# Allegro board ZDRK-36-DE3-A02-20190729.brd (continued)
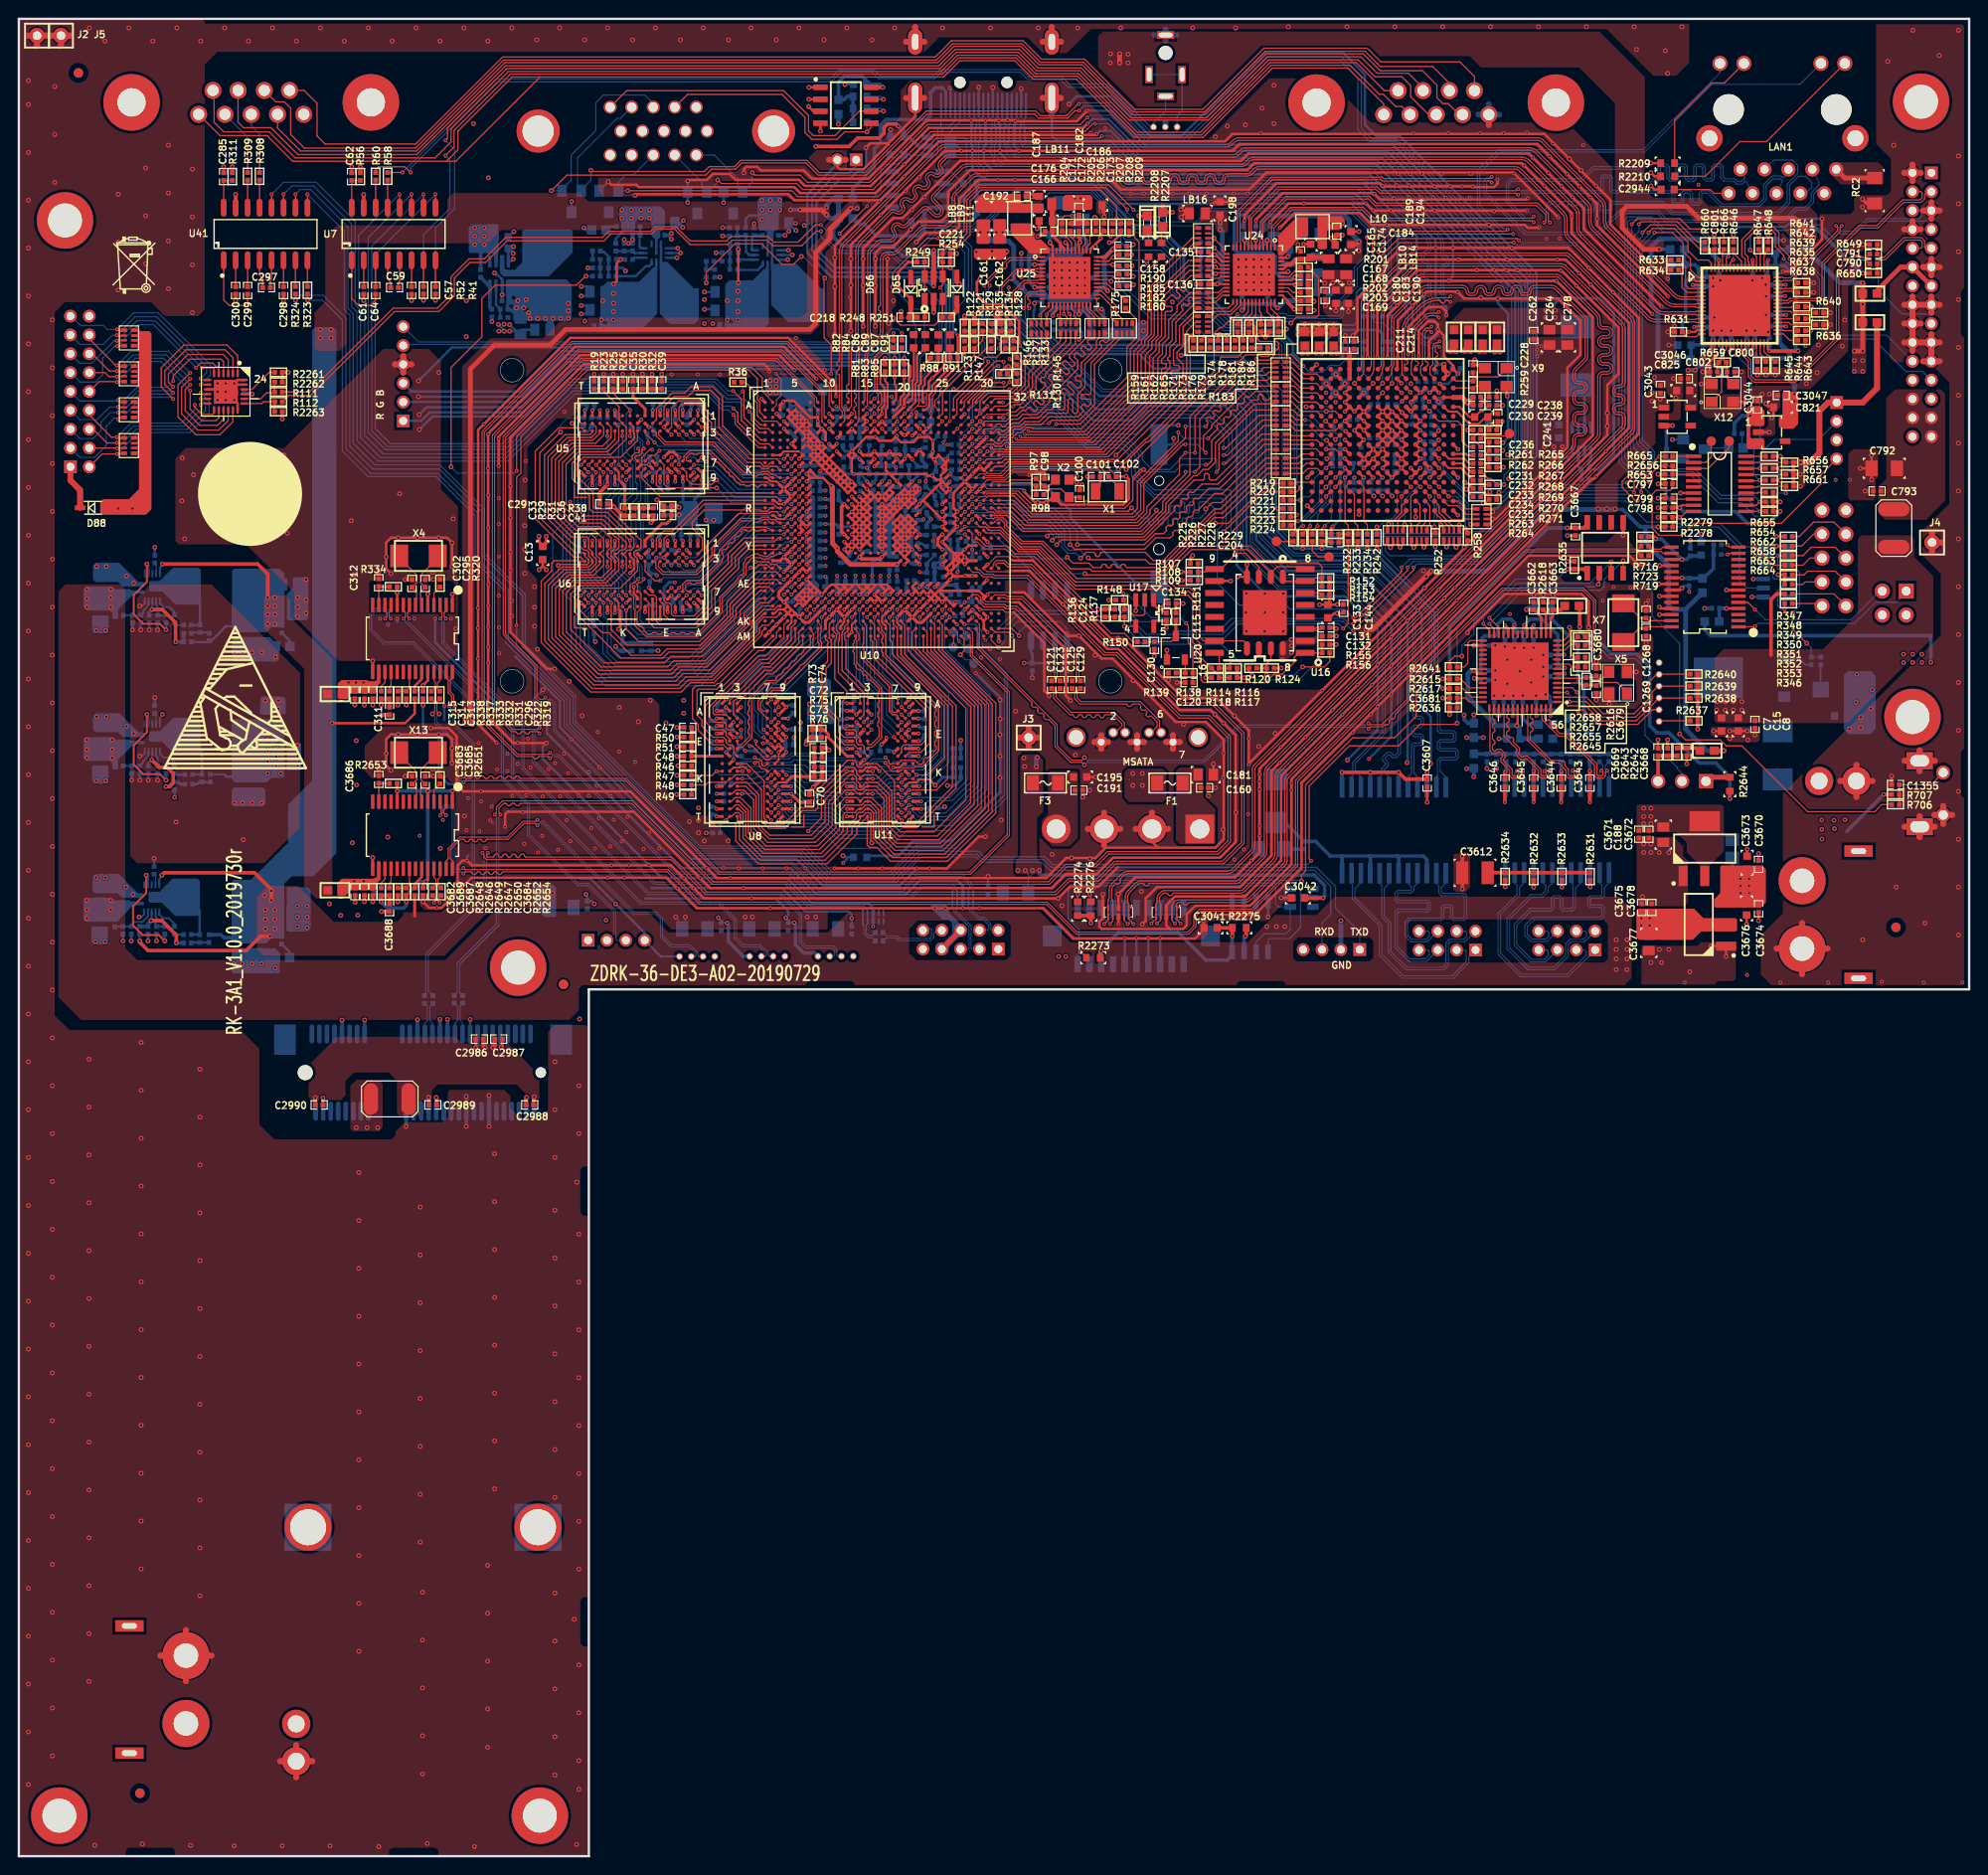
[diagram p0: board, top side]
## Routing (per net, layer and track width the routed paths; a pad name or vN(x,y) marks a point on that pad's centre or on a via; arc(x,y) is an arc through that point) (continued)
  TOP w0.254: U44.17 v2(176.53,137.62)
  TOP w0.381: v2(173.74,139.8) 173.48,140.06 R716.1
  BOTTOM w0.381: v2(173.74,139.8) 174.35,139.8 v2(176.53,137.62) 177.04,137.62 C2906.1 178.47,138 C2907.1
N18950898: length 2.7
  TOP w0.112: R719.1 173.46,138.48 174.29,138.48 174.5,138.27 U44.16
N18950900: length 2.6
  TOP w0.112: R723.1 173.33,138.71 174.29,138.71 174.5,138.92 U44.15
N18950914: length 5.9
  TOP w0.127: U44.27 172.99,131.12 C1268.2 172.11,131.39 170.54,132.96 X7.1
N18950916: length 5.8
  TOP w0.127: U44.28 172.89,130.47 C1269.2 171.98,130.3 170.54,128.86 X7.2
N18950939: length 1.9
  TOP w0.127: U44.13 181.48,138.27 v1(181.36,138.15)
  BOTTOM w0.127: R718.2 v1(181.36,138.15)
N18950941: length 1.9
  TOP w0.127: v1(181.36,139.17) 181.6,138.92 U44.14
  BOTTOM w0.127: v1(181.36,139.17) 181.33,139.19 R722.2
N18954032: length 2.7
  TOP w0.381: v2(130.18,97.64) 130.28,97.74 R2275.2
  BOTTOM w0.381: v2(130.18,97.64) 130.05,97.51 U107.7
N18957216: length 4.6
  TOP w0.114: U32.C6 v2(141.75,156.32)
  BOTTOM w0.114: R2277.2 141.78,159.61 142.16,159.23 142.16,156.73 v2(141.75,156.32)
N18970956: length 2
  TOP w0.508: D65.1 99.57,164.03 R251.1
N18974086: length 2.4
  TOP w0.127: R641.1 188.21,166.37 U66.45
N18974088: length 2.3
  TOP w0.127: R642.1 188.34,165.96 188.21,166.09 187.33,166.09 187.2,165.97 U66.44
N18974096: length 2.2
  TOP w0.127: R639.1 188.21,164.44 188.14,164.37 U66.40
N18974098: length 4.2
  TOP w0.127: R640.1 188.21,163.8 188.05,163.97 U66.39
N18974100: length 2.2
  TOP w0.127: R635.1 188.82,163.17 U66.37
N18974102: length 4.2
  TOP w0.127: U66.36 187.86,162.77 188.09,162.53 R636.1
N18974108: length 2.2
  TOP w0.127: U66.34 187.26,161.97 187.33,161.9 R637.1
N18974110: length 2.5
  TOP w0.127: R638.1 187.96,160.88 187.28,161.57 U66.33
N18974228: length 2.4
  TOP w0.127: R631.1 177.06,161.26 178.05,161.26 178.36,161.57 U66.16
N18974283: length 2.5
  TOP w0.127: U66.31 185.24,159.67 185.67,159.23 185.83,159.23 R643.1
N18974287: length 2.2
  TOP w0.127: R644.1 185.42,158.85 184.84,159.44 U66.30
N18974291: length 2
  TOP w0.127: R645.1 184.44,158.72 U66.29
N18974396: length 4.4
  TOP w0.127: U66.5 177.03,165.97 176.53,166.47 176.53,168.02 R634.2
N18974398: length 4.8
  TOP w0.127: R633.2 176.91,168.66 176.91,166.73 177.27,166.37 U66.4
N18974748: length 2.3
  TOP w0.127: U66.56 182.84,169.29 181.99,170.13 R646.2
N18974868: length 2
  TOP w0.127: R647.2 184.84,170.33 U66.51
N18974870: length 2.1
  TOP w0.127: R648.2 185.42,170.26 185.42,170.03 185.24,169.84 U66.50
N18975062: length 8.6
  TOP w0.114: R649.2 C791.2 197.61,169.67 197.97,169.67 200.08,171.78 201.93,171.78 202.28,171.43 202.28,170.77 202.4,170.65 JE1.9
N18975064: length 8.5
  TOP w0.114: R650.1 C790.1 197.65,169.41 198.08,169.41 200.19,171.51 201.82,171.51 202.02,171.32 202.02,170.77 201.9,170.65 JE1.10
N18975175: length 1.6
  BOTTOM w0.127: LED3.A 182.91,149.56 R2561.2
N18975181: length 2.6
  BOTTOM w0.127: LED3.C 179.07,149.45 Q20.3
N18975351: length 2.3
  TOP w0.127: C799.1 175.64,144.02 U1492.8
N18978629: length 3.8
  BOTTOM w0.203: R2568.2 11.1,131.7 R2567.1 C3056.1 13.21,131.95 13.21,132.18 13.77,132.75 U1493.13
N18978639: length 8.6
  TOP w0.381: v2(14.1,132.31) 15.24,132.31 16.64,130.91 v2(16.64,128.88)
  BOTTOM w0.203: v2(14.1,132.31) 14.17,132.38 U1493.12
  BOTTOM w0.381: R2571.2 R2565.2 v2(16.64,128.88) ; R2566.1 13.84,132.05 v2(14.1,132.31)
N18978647: length 2
  BOTTOM w0.254: R2571.1 18.42,129.87 R2563.2 20.12,129.87 C3060.1
N18978651: length 11.9
  TOP w0.203: v2(15.62,130.15) 14.99,130.78 13.21,130.78 12.19,131.8 12.19,133.83 13.59,135.23 v2(13.59,137.13)
  BOTTOM w0.203: v2(13.59,137.13) 13.77,136.95 U1493.4 ; R2570.1 v2(15.62,130.15)
N18978655: length 2.5
  BOTTOM w0.203: U1493.11 14.57,132.72 14.73,132.56 C3053.1 R2570.2
N18978661: length 1.1
  BOTTOM w0.203: R2569.2 16.74,130.66 C3054.1
N18978663: length 2.5
  BOTTOM w0.203: U1493.10 14.97,132.96 15.37,132.56 16,132.56 16.51,132.05 R2569.1
N18978665: length 5.6
  BOTTOM w0.254: L16.1 19.23,133.38 R2563.1 19.2,130.66 C3054.2
N18978683: length 1.2
  BOTTOM w0.114: R2564.1 14.57,137.09 U1493.6
N18979891: length 4.6
  BOTTOM w0.203: U126.13 13.7,99.73 13.14,99.16 12.27,99.16 12.07,98.96 12.07,98.68 C640.1 R482.1 10.21,98.68 R462.2
N18979901: length 7.5
  TOP w0.381: v2(16.71,96.93) 16.71,97.75 15.17,99.29 v2(14.03,99.29)
  BOTTOM w0.203: U126.12 14.1,99.36 v2(14.03,99.29)
  BOTTOM w0.381: R481.2 R485.1 13.72,98.98 v2(14.03,99.29) ; R480.2 v2(16.71,96.93)
N18979909: length 1.9
  BOTTOM w0.254: C639.1 R463.2 18.36,96.98 R480.1
N18979913: length 11.8
  TOP w0.203: v2(15.49,97.13) 14.86,97.76 13.14,97.76 12.12,98.78 12.12,100.81 13.52,102.21 v2(13.52,104.11)
  BOTTOM w0.203: v2(13.52,104.11) 13.7,103.93 U126.4
  BOTTOM w0.254: R484.1 v2(15.49,97.13)
N18979917: length 2.7
  BOTTOM w0.203: U126.11 14.5,99.7 14.66,99.54 14.66,99.22 14.48,99.03 14.48,98.68
  BOTTOM w0.254: R484.2 C646.1 14.48,98.68
N18979923: length 1
  BOTTOM w0.254: C635.1 16.56,97.82 R461.2
N18979925: length 2.6
  BOTTOM w0.203: R461.1 16.51,98.97 15.93,99.54 15.3,99.54 14.9,99.94 U126.10
N18979927: length 5.5
  BOTTOM w0.254: C635.2 19.17,97.82 R463.1 19.19,100.33 17.74,101.78
N18979945: length 1.2
  BOTTOM w0.114: R483.1 14.5,104.07 U126.6
N18980765: length 1.8
  BOTTOM w0.254: R2572.2 28.78,128.96 D89.A
N18983812: length 1.4
  TOP w0.127: R2208.2 119.91,172.42 D91.A
N18983816: length 1.8
  TOP w0.127: D90.C 121.28,172.82 R2207.2
N18984245: length 2.1
  BOTTOM w0.381: C3608.1 134.34,106.88 R797.2
N18984341: length 16.4
  TOP w0.381: v2(149.48,115.04) C3607.1 147.19,114.3 v2(146.45,115.04) v2(143.45,115.04) v2(140.45,115.04)
  BOTTOM w0.381: T3.1 v2(140.45,115.04) ; T3.10 149.45,115.01 v2(149.48,115.04) ; T3.4 v2(143.45,115.04) ; T3.7 v2(146.45,115.04)
N18984380: length 24.6
  BOTTOM w0.381: T3.21 143.45,106.08 143.38,106.15 ; T3.18 146.45,106 146.3,106.15 ; D104.1 134.39,109.7 R797.1 137.64,107.7 139.19,106.15 140.46,106.15 ; 140.46,106.15 143.38,106.15 ; 140.46,106.15 140.45,106.13 T3.24 ; 143.38,106.15 146.3,106.15 ; 146.3,106.15 149.07,106.15 149.45,105.77 T3.15
N18998365: length 3.1
  TOP w0.127: R2617.1 153.29,123.93 154.21,123.01 U1.41
N18998598: length 3.5
  TOP w0.381: C3644.2 v1(163.7,115.16)
  BOTTOM w0.381: R2628.1 v1(163.7,115.16) 163.77,115.1 T1.7
N18998632: length 3.5
  TOP w0.381: C3643.2 v1(166.75,115.16)
  BOTTOM w0.381: T1.10 166.77,115.14 v1(166.75,115.16) R2627.1
N18998664: length 3.5
  TOP w0.381: v1(160.77,115.15) 160.78,115.14 C3645.2
  BOTTOM w0.381: R2629.1 160.78,115.16 v1(160.77,115.15) T1.4
N18998760: length 3.5
  TOP w0.381: C3646.2 157.73,115.04 v1(157.77,115.07)
  BOTTOM w0.381: T1.1 v1(157.77,115.07) 157.86,115.16 R2630.1
N18998780: length 2.2
  TOP w0.381: R2631.2 v2(166.78,102.87)
  BOTTOM w0.381: v2(166.78,102.87) 166.77,102.88 T1.15
N18998796: length 2.3
  TOP w0.381: R2632.2 v2(160.78,102.84)
  BOTTOM w0.381: T1.21 160.77,102.86 v2(160.78,102.84)
N18998806: length 2.2
  TOP w0.381: v2(157.77,102.88) 157.76,102.89 R2634.2
  BOTTOM w0.381: T1.24 v2(157.77,102.88)
N18999008: length 6.1
  TOP w0.127: X5.3 168.05,124.94 167.74,124.94 C3680.2 167.28,125.09 R2616.2 165.89,125.09 165.8,125.01 U1.6
N18999013: length 8.2
  TOP w0.127: X5.1 170.7,123.54 169.67,124.56 167.77,124.56 C3679.2 167.39,124.28 R2616.1 166.34,124.31 165.86,124.31 165.66,124.51 U1.5
N18999156: length 2.7
  TOP w0.254: R2618.1 162.08,132 U1.16
N19039343: length 10.9
  TOP w0.381: C3612.1 155.92,104.39 R2634.1 160.77,104.39 R2632.1 163.77,104.37 R2633.1 166.76,104.39 R2631.1 166.78,104.37
N19039634: length 2.3
  TOP w0.381: R2633.2 v2(163.78,102.84)
  BOTTOM w0.381: T1.18 163.77,102.85 v2(163.78,102.84)
N19048430: length 2.5
  TOP w0.381: LB132.1 178.16,117.6 C3668.2 R2642.2
N19048438: length 2.7
  TOP w0.508: JP1.1 179.48,114.5 R2644.1
N19048459: length 4.7
  TOP w0.381: JP1.3 C3669.2 R2643.2 R2642.1
N19120126: length 39.1
  TOP w0.254: R2653.1 v2(40.16,113.06) U1496.10 ; C3684.1 42.9,103.12 v2(43.21,103.43) 43.41,103.63 U1496.24 ; U1496.5 v2(43.41,113.05) ; R2647.2 v2(41.12,101.3) ; U1496.1 v2(46.01,113.05) ; U1496.16 38.21,103.77
  TOP w0.381: 38.21,103.77 37.57,103.12 C3687.1 C3689.1 ; v2(38.46,101.3) R2648.1 R2646.1 C3688.1
  BOTTOM w0.381: v2(43.41,113.05) 43.41,103.63 v2(43.21,103.43) 42.55,103.43 41.12,102.01 v2(41.12,101.3) 41.12,100.89 40.85,100.62 39.13,100.62 v2(38.46,101.3) 38.46,101.63 v2(36.6,103.48) v2(35.59,103.48) ; v2(43.41,113.05) v2(40.16,113.05) ; v2(43.41,113.05) v2(46.01,113.05)
N19120139: length 2.2
  TOP w0.127: R2651.1 44.06,113.17 U1496.4
N19120155: length 3.1
  TOP w0.127: 38.21,113.86 C3686.1 ; 38.21,113.86 38.23,113.84 R2653.2 ; 38.21,113.86 U1496.13
N19120167: length 2.3
  TOP w0.112: U1496.25 44.06,103.89 44.27,103.68 44.27,103.12 R2652.2
N19120169: length 2.2
  TOP w0.112: R2654.2 44.5,103.08 44.5,103.68 44.71,103.89 U1496.26
N19120176: length 2.2
  TOP w0.127: R2648.2 38.46,103.28 38.86,103.68 U1496.17
N19120178: length 2.1
  TOP w0.127: R2646.2 39.34,103.25 39.51,103.41 U1496.18
N19120232: length 6.4
  TOP w0.127: U1496.6 42.76,112.54 42.65,112.65 42.65,113.31 C3685.2 42.67,114.25 42.67,115.32 X13.1
N19120234: length 6.5
  TOP w0.127: X13.2 40.37,116.93 42.27,115.04 42.27,114.3 41.76,113.79 C3683.2 42.21,113.31 42.21,112.62 42.11,112.52 U1496.7
N19120242: length 2.3
  TOP w0.254: U1496.23 42.76,103.92 42.01,103.17 R2650.2
N19120244: length 3.1
  TOP w0.127: U1496.21 41.46,103.1 R2647.1 R2649.1
N19146798: length 2.5
  TOP w0.127: R2657.2 165.33,128.63 164.72,128.63 164.1,128.01 U1.12
N19146801: length 2.5
  TOP w0.127: U1.13 164.09,128.51 164.59,129.01 165.07,129.01 R2658.2
N180422580: length 3.4
  TOP w0.127: TP28.1 158.22,150.72 155.42,150.72 R262.1

## Copper pours and planes (outline as drawn; the poured copper is in the pictures)
1V5 on BOTTOM (solid shape): 92.71,134.7 92.71,133.91 92.48,133.68 91.54,133.68 91.11,134.11 92.3,134.11 92.3,134.37 91.54,134.37 91.54,134.11 91.11,134.11 90.96,134.26 90.68,134.26 90.09,133.68 89.15,133.68 88.72,134.11 89.64,134.11 89.64,134.37 88.87,134.37 88.87,134.11 88.72,134.11 88.57,134.26 88.27,134.26 87.68,133.68 86.74,133.68 86.59,133.83 86.59,134.11 87.6,134.11 87.6,134.37 86.97,134.37 86.97,134.11 86.59,134.11 86.59,134.67 86.66,134.75 92.66,134.75
1V5 on BOTTOM (solid shape): 86.46,122.3 86.46,120.27 86.33,120.14 84.72,120.14 84.72,120.27 84.28,120.71 83.83,120.27 83.83,120.23 83.8,120.18 83.75,120.19 83.67,120.27 83.67,122.43 83.79,122.56 86.21,122.56
1V5 on BOTTOM (solid shape): 72.05,143.69 72.05,141.28 71.92,141.15 70.14,141.15 69.89,141.41 69.89,142.66 69.9,142.69 69.94,142.71 70.08,142.71 70.52,143.15 70.08,143.6 70.04,143.6 70,143.63 70.01,143.69 70.14,143.82 71.92,143.82
1V5 on BOTTOM (solid shape): 58.7,166.75 58.7,163.25 58.39,162.94 52.57,162.94 52.47,163.04 52.47,163.65 52.37,163.76 52.19,163.93 54.1,163.93 54.1,164.31 53.59,164.31 53.59,163.93 52.19,163.93 52.19,163.93 51.71,163.93 51.63,164.01 51.63,164.31 52.45,164.31 52.45,164.69 52.07,164.69 52.07,164.31 51.63,164.31 51.63,164.62 51.74,164.62 51.74,165.2 52.7,165.2 52.7,165.58 52.32,165.58 52.32,165.2 51.74,165.2 51.74,165.54 51.7,165.56 51.69,165.59 51.68,165.61 51.68,165.72 51.68,167.23 51.79,167.34 58.11,167.34
1V5 on BOTTOM (solid shape): 84.48,144.3 84.48,135.48 84.94,135.03 84.94,134.47 85.09,134.32 85.09,134.31 85.41,134 85.41,133.72 85.24,133.55 84.35,133.55 83.46,132.66 83.41,132.66 83.19,132.89 82.96,132.89 82.9,132.95 82.84,132.89 82.73,132.89 82.63,132.99 82.63,133.13 82.66,133.16 82.63,133.2 82.63,133.22 83.67,133.22 83.67,133.48 83.29,133.48 83.29,133.22 82.63,133.22 82.63,133.4 82.42,133.6 83.16,133.6 83.16,133.86 82.78,133.86 82.78,133.6 82.42,133.6 82.37,133.65 82.37,133.73 83.01,134.37 84.68,134.37 84.68,134.62 84.3,134.62 84.3,134.37 83.01,134.37 83.39,134.75 83.39,135.38 84.18,135.38 84.18,135.64 83.79,135.64 83.79,135.38 83.39,135.38 83.39,135.59 83.95,136.14 83.95,136.5 83.41,137.03 84.18,137.03 84.18,137.79 83.79,137.79 83.79,137.03 83.41,137.03 83.41,138 83.81,138.4 83.84,138.42 83.89,138.46 83.97,138.56 83.97,138.84 83.41,139.4 83.41,139.7 84.18,139.7 84.18,140.46 83.79,140.46 83.79,139.7 83.41,139.7 83.41,140.39 83.97,140.94 83.97,141.25 83.74,141.48 84.18,141.48 84.18,142.11 83.92,142.11 83.92,141.48 83.74,141.48 83.41,141.81 83.41,142.75 84.18,142.75 84.18,143 83.92,143 83.92,142.75 83.41,142.75 83.41,142.77 83.97,143.33 83.97,143.66 83.62,144.02 84.18,144.02 84.18,144.27 83.79,144.27 83.79,144.02 83.62,144.02 83.41,144.22 83.41,144.37 83.54,144.5 84.28,144.5
1V5 on L3-SIG: 87.03,105.22 84.33,107.92 73.03,107.92 66.78,114.17 66.78,115.95 55.22,127.51 55.22,150.19 55.17,150.19 51.61,153.75 51.61,164.77 51.69,164.77 51.69,165.46 52.2,165.96 60.33,165.96 61.02,165.27 61.02,161.07 64.24,157.86 71.35,157.86 80.43,148.78 82.59,148.78 84.3,147.07 84.3,136.14 85.32,135.13 93.57,135.13 93.6,135.1 94.11,135.1 95.12,134.09 98.93,134.09 99.31,133.71 99.31,131.67 98.93,131.29 98.93,128.12 103.63,123.42 103.63,112.12 99.72,108.2 95.02,108.2 92.04,105.22
1V8_DVI on TOP: 153.42,164.31 163.58,164.31 165.23,162.66 165.23,161.52 151.89,161.52 151.77,161.65 151.77,162.66
1V8_DVI on BOTTOM: 161.9,164.31 167.13,164.31 167.39,164.06 167.39,161.26 167.13,161.01 161.93,161.01 161.67,161.26 161.67,164.08
3V3 on TOP (solid shape): 113.94,176.07 113.94,174.88 113.79,174.73 111.96,174.73 111.86,174.62 110.87,174.62 110.79,174.7 110.79,176.02 111.07,176.3 113.72,176.3
3V3 on BOTTOM (solid shape): 28.19,120.17 28.19,114.58 28.07,114.45 26.8,114.45 26.29,113.94 22.99,113.94 22.61,114.33 22.61,120.42 22.86,120.68 27.69,120.68
3V3 on BOTTOM (solid shape): 50.92,173.08 50.92,170.16 50.87,170.11 49.7,170.11 49.65,170.15 47.88,170.15 47.75,170.28 47.75,172.82 48.13,173.2 50.8,173.2
3V3 on BOTTOM (solid shape): 113.72,175.87 113.72,175.06 113.61,174.96 111.2,174.96 111,174.75 109.78,174.75 109.6,174.93 109.6,175.89 109.91,176.2 113.39,176.2
3V3 on BOTTOM (solid shape): 119.86,162.74 119.86,161.14 119.58,160.86 115.01,160.86 114.96,160.91 114.96,162.1 115.06,162.2 118.21,162.2 118.97,162.97 119.63,162.97
3V3 on BOTTOM (solid shape): 81.03,176 81.03,174.6 80.65,174.22 80.65,172.69 80.54,172.58 80.4,172.58 80.3,172.48 80.17,172.48 80.17,172.36 80.1,172.28 80.1,171.59 80,171.49 79.54,171.49 79.39,171.64 79.39,172.48 79.21,172.48 79.18,172.51 78.7,172.51 78.5,172.71 78.5,173.3 78.42,173.3 78.42,175.81 78.74,176.12 80.9,176.12
3V3 on BOTTOM (solid shape): 68.58,174.6 68.58,173.99 68.57,173.98 68.57,172.74 68.34,172.51 68.09,172.51 68.09,171.8 67.94,171.65 67.83,171.65 67.83,171.62 67.5,171.62 67.48,171.64 67.48,171.65 67.47,171.65 67.15,171.98 67.15,173.42 66.89,173.68 65.62,173.68 65.42,173.47 65.42,172.64 65.32,172.53 64.05,172.53 63.97,172.61 63.97,173.37 63.75,173.59 63.75,174.85 64.01,175.11 68.07,175.11
3V3 on TOP: 35.43,76.94 35.18,77.19 35.18,81.76 35.81,82.4 38.23,82.4 38.61,82.02 38.61,77.32 38.23,76.94
3V3 on TOP: 133.99,126.72 133.73,126.97 133.73,128.63 134.11,129.01 134.62,129.01 135,129.39 137.54,129.39 137.9,129.74 138.58,129.74 138.66,129.67 138.66,129.21 138.56,129.11 138.05,129.11 137.41,128.47 135.69,128.47 135.43,128.22 135.43,127.79 134.37,126.72
3V3 on TOP: 123.19,175.29 124.56,175.29 124.71,175.13 124.71,173.79 124.51,173.58 123.16,173.58 122.99,173.76 122.99,175.08
3V3 on TOP: 138.43,168.38 141.45,168.38 141.66,168.17 141.66,165.91 141.5,165.76 138.43,165.76 138.3,165.89 138.3,168.25
3V3 on TOP: 136.07,162.94 139.93,162.94 140.13,162.74 140.13,161.44 139.9,161.21 135.61,161.21 135.48,161.34 135.48,162.36
3V3 on BOTTOM: 161.67,151.49 161.67,153.64 161.93,153.9 164.97,153.9 165.74,153.14 165.74,150.98 165.35,150.98 165.35,152.37 165.23,152.5 164.21,152.5 163.96,152.25 163.96,151.61 163.83,151.49
3V3 on L3-SIG: 4.9,2.03 1.52,5.41 1.52,193.04 2.13,193.65 205.94,193.65 205.94,130.02 204.89,128.97 196.53,128.97 192.38,124.82 167.77,124.82 161.42,131.17 156.21,131.17 151.26,126.21 151.26,120.62 151.89,119.99 153.03,119.99 153.29,119.74 153.29,114.78 153.8,114.27 155.45,114.27 155.7,114.53 155.7,115.67 156.21,116.18 169.16,116.18 170.18,115.16 170.18,100.05 168.4,98.27 168.4,93.19 168.02,92.81 136.78,92.81 136.14,93.45 136.14,105.84 126.19,115.8 115.95,115.8 114.83,114.68 114.83,105.59 115.49,104.93 122.83,104.93 125.02,102.74 125.02,95.1 124.28,94.36 116.1,94.36 115.47,95 115.47,98.25 113.51,100.2 110.36,100.2 109.78,100.79 109.78,105.36 109.25,105.89 105.87,105.89 105.26,105.28 105.26,96.37 104.39,95.5 99.26,95.5 99.26,96.6 99.95,97.28 99.97,97.28 99.69,97 99.69,96.88 100.33,96.24 103.63,96.24 104.14,96.75 104.14,97.64 103.76,98.02 100.76,98.02 100.76,98.48 99.03,100.2 99.03,101.07 98.73,101.37 96.82,101.37 96.48,101.03 96.49,101.02 96.49,100.1 97.43,99.16 98.17,99.16 98.65,98.68 98.65,97.94 98.02,97.31 97.97,97.31 98.3,97.64 98.3,98.15 97.66,98.78 95.88,98.78 95.88,97.13 96.77,96.24 96.9,96.24 97.08,96.42 97.08,95.83 96.77,95.53 91.8,95.53 86.97,100.36 83.49,100.36 83.24,100.1 83.24,97.84 83.82,97.26 87.1,97.26 87.63,96.72 87.63,95.22 87.55,95.15 84.18,95.15 82.02,97.31 82.02,99.03 80.85,100.2 76.76,100.2 76.5,99.95 76.5,98.07 77.77,96.8 79.73,96.8 80.42,96.11 80.42,95.3 80.24,95.12 77.22,95.12 75.41,96.93 75.41,99.06 74.37,100.1 69.04,100.1 68.88,99.95 68.88,97.56 69.09,97.36 72.39,97.36 72.77,96.98 72.77,95.35 72.52,95.1 69.67,95.1 68.71,96.06 61.16,96.06 57.79,99.44 57.79,103.1 57.45,103.43 54.53,103.43 54.13,103.02 54.13,95.28 59.03,90.37 59.03,3.66 57.4,2.03 ; 31 cut-outs
3V3_3G4G on TOP: 43.82,81.25 43.82,80.49 43.56,80.24 42.93,80.24 42.55,79.86 42.55,78.71 42.42,78.59 40.39,78.59 40.13,78.84 40.13,82.27 39.24,83.16 35.56,83.16 34.67,82.27 34.67,80.75 34.16,80.24 31.12,80.24 30.73,80.62 30.73,83.92 33.78,86.97 46.36,86.97 47.12,86.21 51.94,86.21 55.25,82.91 55.25,80.37 54.36,80.37 52.83,81.89 44.45,81.89
3V3_BD on TOP (solid shape): 14.07,161.62 14.07,142.95 13.49,142.37 8.86,142.37 8.64,142.6 8.64,143.74 8.92,144.02 11.68,144.02 12.75,145.08 12.75,161.8 12.8,161.85 13.84,161.85
3V3_BD on BOTTOM (solid shape): 28.19,136.12 28.19,130.53 28.07,130.4 26.8,130.4 26.29,129.9 22.99,129.9 22.61,130.28 22.61,136.37 22.86,136.63 27.69,136.63
3V3_BD on TOP: 115.06,193.65 167.77,193.65 172.59,188.82 172.59,176.89 173.48,176 178.49,176 179.37,175.11 190.02,175.11 190.88,174.24 190.88,171.81 190.25,171.17 188.72,171.17 186.56,173.33 178.05,173.33 177.17,174.22 170.69,174.22 170.69,173.08 172.21,171.55 174.5,171.55 174.62,171.42 174.62,170.41 174.5,170.28 172.34,170.28 169.42,173.2 169.42,186.03 165.61,189.84 155.19,189.84 153.99,191.05 144.46,191.05 143.36,192.15 131.88,192.15 125.32,185.6 118.87,185.6 114.55,189.92 114.55,193.14
3V3_BD on TOP: 31.57,101.63 30.28,102.92 30.28,126.01 26.04,130.25 26.04,133.5 26.37,133.83 28.37,133.83 28.83,133.38 28.83,131.5 33.27,127.05 33.27,101.75 33.15,101.63
3V3_BD on TOP: 194.56,166.6 194.56,157.45 194.69,157.33 195.96,157.33 196.09,157.45 196.09,166.98 195.83,167.23 195.2,167.23
3V3_BD on BOTTOM: 194.18,159.74 194.18,156.67 195.38,155.47 195.38,141.61 201.68,135.31 201.68,131.04 199.77,129.13 199.77,126.39 200.2,125.96 203.33,125.96 205,127.63 205,141.3 199.69,146.61 199.69,156.51 196.09,160.12 194.56,160.12
3V3_BD on BOTTOM: 25.93,133.93 25.43,134.44 25.4,134.42 25.4,135.86 26.16,136.63 26.16,139.55 24.31,141.4 8.46,141.4 8.15,141.71 8.15,144.88 8.51,145.24 14.88,145.24 23.7,154.05 23.7,159.46 20.32,162.84 20.32,179.63 22.53,181.84 38.23,181.84 48.64,192.25 117.98,192.25 118.62,191.62 118.62,189.53 117.65,188.57 111.3,188.57 110.87,189 50.52,189 38.46,176.94 33.1,176.94 31.75,178.28 27.99,178.28 26.39,176.68 26.39,165.66 29.74,162.31 29.74,142.57 29.72,142.6 29.72,137.26 28.45,135.99 28.45,134.32 28.07,133.93
3V3_BD on BOTTOM: 183.13,107.16 181.1,107.16 180.95,107.31 180.95,110.31 181.33,110.69 194.79,110.69 195.22,110.26 195.22,108.76 194.64,108.18 192.89,108.18 192.25,107.54 183.52,107.54
3V3_BD on BOTTOM: 188.85,172.06 190.63,172.06 193.93,168.76 193.93,168 194.44,167.49 196.09,167.49 196.47,167.11 196.47,163.93 196.22,163.68 194.56,163.68 192.41,165.84 192.41,166.98 189.61,169.77 189.23,169.77 189.1,169.9 189.1,171.04 188.72,171.42 188.72,171.93
3V3_BD on L3-SIG: 197.64,128.04 203.33,128.04 204.34,127.03 204.34,106.71 203.4,105.77 193.27,105.77 191.03,108 191.03,121.44
3V3_MCU on TOP: 188.87,148.13 188.87,145.29 189,145.16 189.33,145.16 189.64,145.47 189.64,147.14 190.22,147.73 190.22,147.95 189.94,148.23 188.98,148.23
3V3_MCU on BOTTOM: 186.33,148.77 188.77,148.77 189.51,148.03 189.51,143.38 186.79,140.67 183.16,140.67 181.56,142.27 176.38,142.27 173.61,145.03 173.61,146.76 173.86,147.02 174.24,147.02 175.26,146 177.19,146 180.14,143.05 182.75,143.05 183.77,142.04 185.75,142.04 186.54,142.82 186.54,143.76 186.92,144.14 187.71,144.14 188.06,144.5 188.06,144.78 187.53,145.31 186.56,145.31 185.98,145.9 185.98,148.41
5V0 on TOP (solid shape): 185.29,153.39 185.29,151.99 185.17,151.87 184.02,151.87 183.77,151.61 183.77,150.6 183.9,150.47 185.04,150.47 185.29,150.22 185.29,149.45 185.17,149.33 183.52,149.33 183.39,149.45 183.39,153.64 183.64,153.9 184.78,153.9
5V0 on BOTTOM (solid shape): 57.02,102.77 57.02,99.8 56.9,99.67 55.8,99.67 55.5,99.97 55.5,100.18 54.48,101.19 54.48,102.82 54.79,103.12 56.67,103.12
5V0 on BOTTOM (solid shape): 33.71,161.93 33.71,106.45 31.24,103.99 28.96,103.99 28.16,103.19 28.16,97.51 28.03,97.38 26.76,97.38 26.25,96.88 22.95,96.88 22.57,97.26 22.57,103.35 22.83,103.61 24.64,103.61 28.58,107.54 28.58,111.61 31.12,114.15 31.12,161.93 31.47,162.28 33.35,162.28
5V0 on TOP: 167.54,142.6 167.28,142.85 167.28,145.67 172.34,150.72 172.34,154.91 172.97,155.55 174.62,155.55 174.62,155.04 175.26,154.41 175.26,153.52 175.16,153.42 173.94,153.42 173.71,153.19 173.71,149.94 169.72,145.95 169.72,142.8 169.52,142.6
5V0 on TOP: 31.75,159.74 31.37,160.12 31.37,163.8 32.51,164.95 32.51,171.81 33.78,173.08 44.45,173.08 45.47,174.09 45.47,175.87 46.1,176.5 59.56,176.5 60.45,175.62 85.65,175.62 86.06,175.21 86.06,173.94 85.22,173.1 82.04,173.1 81.51,172.57 51.18,172.57 49.78,171.17 35.43,171.17 34.8,170.54 34.8,160.5 34.04,159.74
5V0 on TOP: 105.92,104.24 105.79,104.37 105.79,105.64 106.3,106.15 106.3,116.61 106.63,116.94 108.1,116.94 108.71,116.33 108.71,110.85 108.08,110.21 108.08,105.89 108.59,105.38 108.59,104.5 108.33,104.24
5V0 on TOP: 142.16,129.49 142.16,130.15 148.79,136.78 149.94,136.78 150.22,136.5 150.22,136.27 143.21,129.26 142.39,129.26
5V0 on TOP: 48.29,103.63 68.33,103.63 71.63,100.33 85.7,100.33 85.85,100.18 85.85,98.53 85.67,98.35 69.27,98.35 67.08,100.53 50.14,100.53 45.16,95.55 25.96,95.55 25.27,96.24 25.27,101.83 26.42,102.97 29.62,102.97 33.43,99.16 40.11,99.16 40.79,99.85 40.79,100.1 40.87,100.18 44.83,100.18
5V0 on BOTTOM: 76.96,97.38 76.71,97.64 76.71,99.8 76.96,100.05 78.11,100.05 78.36,99.8 78.36,97.51 78.23,97.38
5V0 on BOTTOM: 87.5,185.27 85.22,185.27 83.69,183.74 83.69,179.55 81.66,177.52 81.66,174.6 81.91,174.35 83.06,174.35 83.31,174.6 83.31,177.27 85.09,179.04 85.09,181.71 86.36,182.98 87.5,182.98 87.63,183.11 87.63,185.14
5V0 on BOTTOM: 71.25,97.51 71.12,97.38 69.34,97.38 69.09,97.64 69.09,99.67 69.34,99.92 71.12,99.92 71.25,99.8
5V0 on BOTTOM: 83.57,99.92 84.96,99.92 85.09,99.8 85.09,97.64 84.84,97.38 83.57,97.38 83.44,97.51 83.44,99.8
5V0 on BOTTOM: 173.08,155.45 173.08,153.03 174.57,151.54 183.77,151.54 184.23,151.99 184.23,153.72 183.92,154.03 183.39,154.03 183.03,153.67 176.4,153.67 174.45,155.63 173.25,155.63
5V0 on BOTTOM: 148.64,136.6 148.64,135.71 149.1,135.25 155.85,135.25 162.05,141.45 170.61,141.45 171.93,140.13 171.93,139.67 174.65,136.96 174.65,131.67 176.61,129.72 176.61,119.35 178.99,116.97 181.38,116.97 181.53,117.12 181.53,117.6 181.2,117.93 179.3,117.93 177.42,119.81 177.42,132.16 178.51,133.25 179.25,133.25 179.4,133.4 179.4,134.52 179.32,134.59 178.31,134.59 177.24,133.53 176.2,133.53 175.79,133.93 175.79,137.21 173.2,139.8 173.2,140.33 173.48,140.61 174.14,140.61 174.35,140.82 174.35,141.07 174.17,141.25 172.39,141.25 170.33,143.31 161.77,143.31 155.24,136.78 148.82,136.78
5V0 on BOTTOM: 105.92,105 108.33,105 108.71,104.62 108.71,101.32 108.33,100.94 106.68,100.94 105.66,101.96 105.66,104.75
5V0 on BOTTOM: 106.63,115.14 106.35,115.42 106.35,117.09 106.58,117.32 107.82,117.32 108.38,117.88 108.38,122.71 109.78,124.1 112.75,124.1 114.12,122.73 117.2,122.73 118.77,124.31 137.72,124.31 142.06,128.65 142.06,130.25 142.29,130.48 143.36,130.48 143.76,130.07 143.76,126.8 138.23,121.26 121.03,121.26 120.22,120.45 111.46,120.45 110.72,119.71 110.72,115.47 110.39,115.14
5V0 on L3-SIG: 58.29,92.81 54.48,96.62 54.48,102.82 54.79,103.12 57.02,103.12 57.35,102.79 57.35,99.09 60.71,95.73 68.45,95.73 69.34,94.84 72.9,94.84 72.9,97.38 72.64,97.64 69.34,97.64 69.09,97.89 69.09,99.67 69.34,99.92 74.04,99.92 75.18,98.78 75.18,96.8 77.01,94.97 80.39,94.97 80.65,95.22 80.65,96.11 79.63,97.13 77.93,97.13 76.84,98.22 76.84,99.69 77.04,99.9 80.92,99.9 81.79,99.03 81.79,97.26 84.2,94.84 87.5,94.84 87.88,95.22 87.88,96.62 87,97.51 83.95,97.51 83.52,97.94 83.52,99.77 83.74,100 86.66,100 89.79,96.88 89.92,96.88 91.57,95.22 104.52,95.22 105.79,96.49 105.79,105.26 105.92,105.38 108.97,105.38 109.47,104.88 109.47,95.22 107.06,92.81
12V0 on BOTTOM (solid shape): 10.09,101.45 11.74,101.45 11.87,101.32 13.14,101.32 13.27,101.19 13.27,100.94 12.12,100.94 10.54,99.29 10.41,99.16 7.11,99.16 6.86,99.42 6.86,101.57 6.98,101.7 9.84,101.7
12V0 on BOTTOM (solid shape): 10.16,118.52 11.81,118.52 11.94,118.39 13.21,118.39 13.34,118.26 13.34,118.01 12.19,118.01 10.54,116.36 10.54,115.47 10.41,115.34 10.03,115.34 9.91,115.47 9.91,115.98 9.65,116.23 7.19,116.23 6.86,116.56 6.86,118.59 7.04,118.77 9.91,118.77
12V0 on BOTTOM (solid shape): 10.16,134.47 11.81,134.47 11.94,134.34 13.21,134.34 13.34,134.21 13.34,133.96 12.19,133.96 10.54,132.31 10.54,131.42 10.41,131.29 10.03,131.29 9.91,131.42 9.91,131.93 9.65,132.18 7.24,132.18 6.86,132.56 6.86,134.47 7.11,134.72 9.91,134.72
12V0 on TOP: 117.73,115.42 121.41,115.42 121.79,115.04 121.79,112.24 121.41,111.86 117.86,111.86 117.35,112.37 117.35,115.04
12V0 on TOP: 6.6,88.75 4.19,91.16 4.19,134.21 4.95,134.98 10.8,134.98 11.3,134.47 11.3,96.37 12.57,95.1 45.26,95.1 50.42,100.25 66.73,100.25 68.94,98.04 85.88,98.04 88.65,100.81 107.8,100.81 111.61,97 130.43,97 133.32,99.9 137.72,99.9 139.65,101.83 169.88,101.83 171.2,100.51 171.2,93.19 170.43,92.43 59.82,92.43 59.44,92.05 59.44,89.76 58.42,88.75 ; 3 cut-outs
12V0 on TOP: 180.21,120.24 179.96,120.5 179.96,127.1 180.98,128.12 191.52,128.12 195.2,131.8 195.2,137.26 196.22,138.28 200.79,138.28 203.2,135.86 203.2,129.39 194.06,120.24
12V0 on TOP: 195.58,140.18 200.79,140.18 201.17,139.8 201.17,137.21 200.96,137.01 195.35,137.01 195.2,137.16 195.2,139.8
12V0 on BOTTOM: 179.32,120.5 177.8,122.02 177.8,127.36 178.05,127.61 182.75,127.61 183.13,127.23 183.13,120.88 182.75,120.5
12V0 on L3-SIG: 169.29,92.56 168.78,93.07 168.78,97.38 169.42,98.02 174.62,98.02 176.02,99.42 176.02,118.08 176.28,118.34 178.44,118.34 179.32,119.23 179.32,124.05 179.58,124.31 187.83,124.31 189.87,122.28 189.87,97.76 184.66,92.56
12V0 on L3-SIG: 116.33,115.29 125.73,115.29 135.38,105.64 135.38,94.84 134.87,94.34 126.57,94.34 125.48,95.43 125.48,103.1 123.06,105.51 116.21,105.51 115.57,106.15 115.57,114.53
+1.2V on TOP: 179.45,103.1 179.32,102.97 178.56,102.97 178.44,103.1 178.44,105.13 177.04,106.53 177.04,107.54 175.9,108.69 173.61,108.69 173.48,108.56 171.7,108.56 171.7,111.48 171.83,111.61 180.72,111.61 180.98,111.35 180.98,106.65 179.45,105.13
+1.2V on BOTTOM: 162.31,120.37 162.31,118.08 162.43,117.96 170.18,117.96 171.2,116.94 171.2,109.83 171.96,109.07 173.99,109.07 174.12,109.19 174.12,111.86 172.59,113.39 172.59,117.96 170.81,119.74 163.7,119.74 163.32,120.12 163.32,120.5 162.43,120.5
+2.5V on TOP (solid shape): 178.82,99.54 182.25,99.54 182.37,99.42 182.37,98.27 182.25,98.15 178.56,98.15 177.67,97.26 171.96,97.26 171.7,97.51 171.7,100.3 171.96,100.56 177.8,100.56
